# Altium PCB STEERING_WHEEL_SWITCHES_V2_CONTROLLER.PcbDoc (part 1 of 2) (continued)
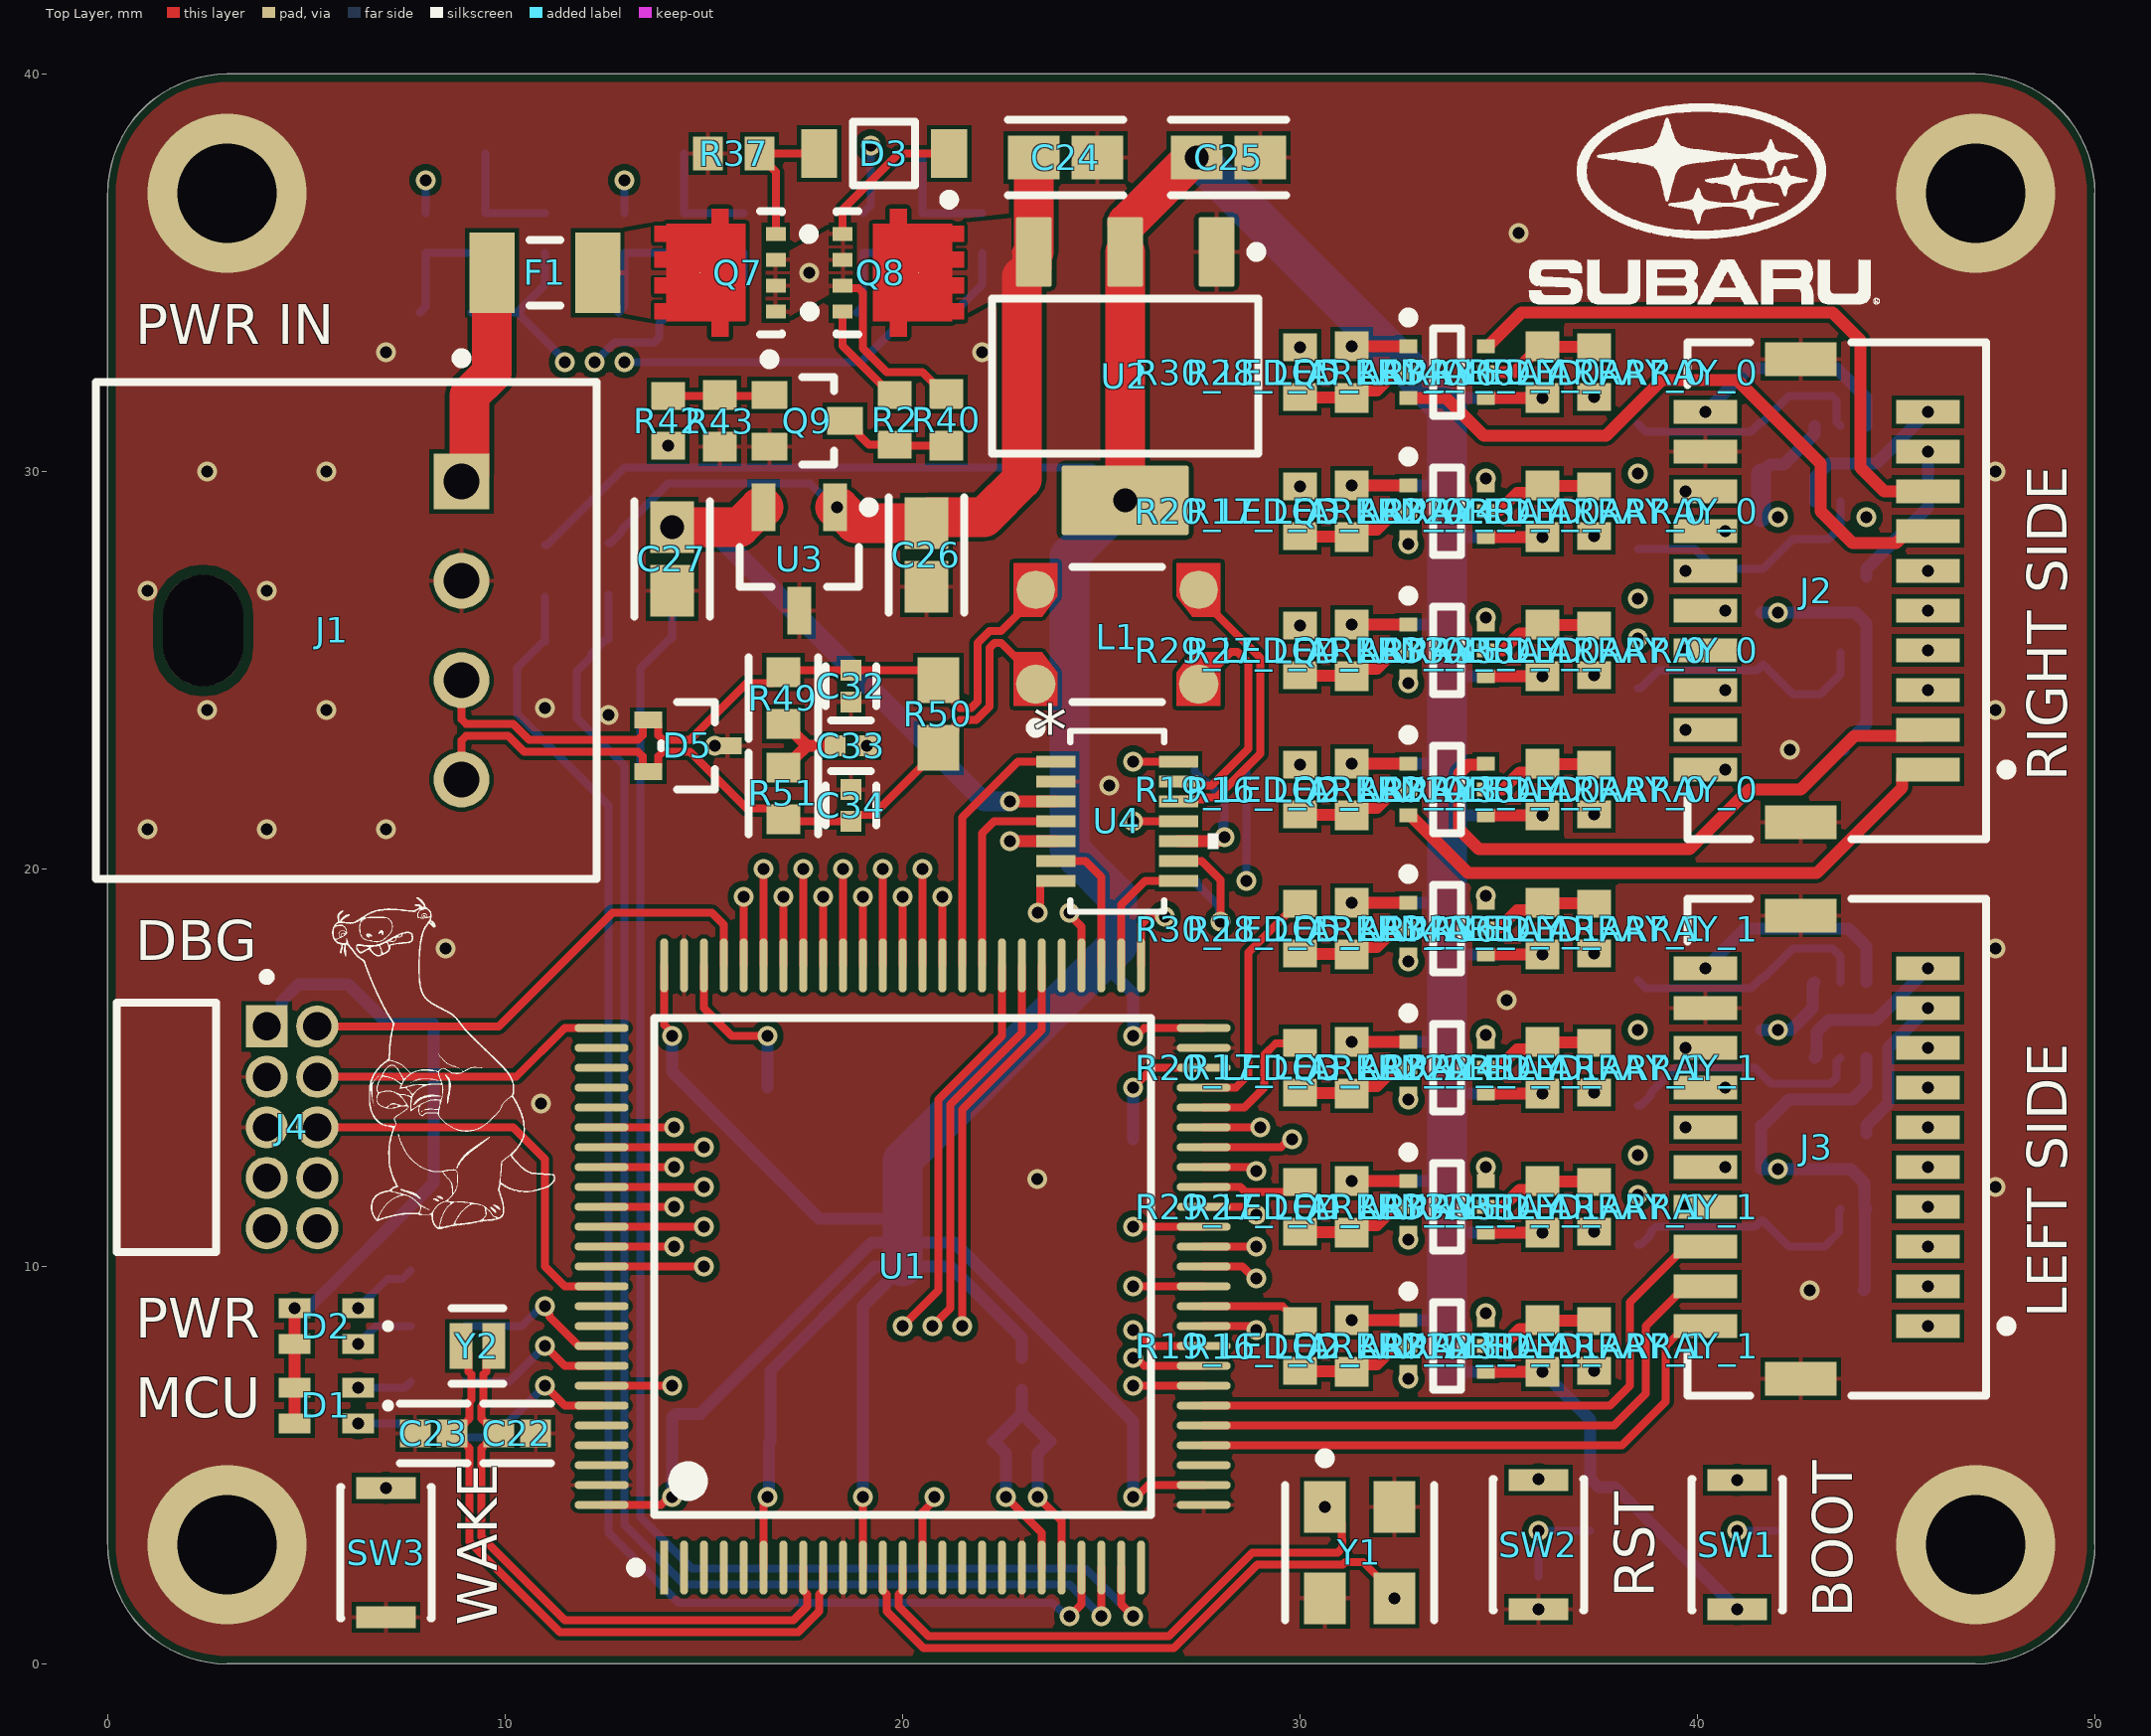
[diagram p0: Top Layer view]
## Design rules (kind name [scope] priority, off if disabled: settings)
BoardOutlineClearance [All] p1: gap=0.2 ignorepadtopadclearanceinfootprint=FALSE
Clearance [All] p1: gap=0.102 ignorepadtopadclearanceinfootprint=FALSE except(0.127: Arc-Via Track-Via SMDPad-Via THPad-Via Via-Via Via-Fill Via-Poly Via-Region Via-Text; 0.25: Arc-Hole Track-Hole SMDPad-Hole THPad-Hole Via-Hole Fill-Hole Poly-Hole Region-Hole Text-Hole)
ComponentClearance [All] p1: gap=0.102 collisioncheckmode=3 verticalgap=0.102 showdistances=TRUE
DiffPairsRouting [All] p1: maxlimit=0.102 minlimit=0.102 mostfreqgap=0.102 toplayer_minwidth=0.102 toplayer_maxwidth=1816.048 toplayer_prefwidth=0.102 midlayer1_minwidth=0.102 midlayer1_maxwidth=1816.048 midlayer1_prefwidth=0.102 midlayer2_minwidth=0.102 midlayer2_maxwidth=1816.048 midlayer2_prefwidth=0.102 bottomlayer_minwidth=0.102 bottomlayer_maxwidth=1816.048 bottomlayer_prefwidth=0.102 maxuncoupledlength=12.7
Height [All] p1: minheight=0 maxheight=1816.048 prefheight=12.7
HoleSize [All] p1: absolutevalues=TRUE maxlimit=6.3 minlimit=0.2 maxpercent=80.000 minpercent=20.000
HoleToHoleClearance [All] p1: gap=0.25 allowstackedmicrovias=FALSE
MinimumAnnularRing [All] p1: minimumring=0.076
MinimumSolderMaskSliver [All] p1: minsoldermaskwidth=0
PlaneClearance [All] p1: clearance=0.102
PlaneConnect PlaneConnectPowerPads [InPadClass('PowerPads')] p1: planeconnectstyle=Direct reliefexpansion=0.508 reliefentries=4 reliefconductorwidth=0.254 reliefairgap=0.254
PlaneConnect [All] p2: pad.planeconnectstyle=Relief pad.reliefexpansion=0.3 pad.reliefentries=4 pad.reliefconductorwidth=0.102 pad.reliefairgap=0.102 via.planeconnectstyle=Direct via.reliefexpansion=0.3 via.reliefentries=4 via.reliefconductorwidth=0.127 via.reliefairgap=0.127
PolygonConnect PolygonConnectPowerPads [All vs (InPadClass('PowerPads'))] p1: connectstyle=Direct reliefconductorwidth=0.254 reliefentries=4 polygonreliefangle="90 Angle" airgapwidth=0.254
PolygonConnect [All] p2: thpad.connectstyle=Relief thpad.reliefconductorwidth=0.102 thpad.reliefentries=4 thpad.polygonreliefangle="90 Angle" thpad.airgapwidth=0.102 smdpad.connectstyle=Relief smdpad.reliefconductorwidth=0.102 smdpad.reliefentries=4 smdpad.polygonreliefangle="90 Angle" smdpad.airgapwidth=0.102 via.connectstyle=Direct via.reliefconductorwidth=0.127 via.reliefentries=4 via.polygonreliefangle="90 Angle" via.airgapwidth=0.127
RoutingVias [All] p1: holewidth=0.2 width=0.45 viastyle="Through Hole" minholewidth=0.2 minwidth=0.45 maxholewidth=6.3 maxwidth=6.55
SilkToSilkClearance [All] p1: silktosilkclearance=0
SilkToSolderMaskClearance [IsPad] p1: minsilkscreentomaskgap=0.102 clearancetoexposedcopper=TRUE
SolderMaskExpansion [All] p1: expansion=0.075 istentingtop=FALSE
Width [All] p1: maxlimit=1816.048 minlimit=0.102 preferedwidth=0.102
20 further rules are at their usual default settings.

## Classes and differential pairs
channel class LED_ARRAY: LED_ARRAY_0 LED_ARRAY_1
net class 120DIFF: CAN_N CAN_P PRE_CAN_N PRE_CAN_P
component class STEERING_WHEEL_SWITCHES_V2_CONTROLLER: J1 J2 J3
component class PWR_MGMT_0: C24 C25 C26 C27 D3 F1 Q7 Q8 Q9 R2 R37 R38 R39 R40 R41 R42 R43 R44 R45 R46 U2 U3
component class MCU_0: C1 C2 C3 C4 C5 C6 C7 C8 C9 C10 C11 C12 C13 C14 C15 C16 C17 C18 C19 C20 C21 C22 C23 D1 D2 FB1 J4 R1 R3 R4 R5 R6 R7 R8 R9 R10 R11 R12 R13 R14 R52 R53 R54 R55 R56 R57 R58 R59 R60 R61 R62 R63 SW1 SW2 TP1 TP2 TP3 U1 Y1 Y2
component class LED_ARRAY_0: Q1_LED_ARRAY_0 Q2_LED_ARRAY_0 Q3_LED_ARRAY_0 Q4_LED_ARRAY_0 Q5_LED_ARRAY_0 Q6_LED_ARRAY_0 R1_LED_ARRAY_0 R15_LED_ARRAY_0 R16_LED_ARRAY_0 R17_LED_ARRAY_0 R18_LED_ARRAY_0 R19_LED_ARRAY_0 R20_LED_ARRAY_0 R21_LED_ARRAY_0 R22_LED_ARRAY_0 R23_LED_ARRAY_0 R24_LED_ARRAY_0 R25_LED_ARRAY_0 R26_LED_ARRAY_0 R27_LED_ARRAY_0 R28_LED_ARRAY_0 R29_LED_ARRAY_0 R30_LED_ARRAY_0 R31_LED_ARRAY_0 R32_LED_ARRAY_0 R33_LED_ARRAY_0 R34_LED_ARRAY_0 R35_LED_ARRAY_0 R36_LED_ARRAY_0
component class LED_ARRAY_1: Q1_LED_ARRAY_1 Q2_LED_ARRAY_1 Q3_LED_ARRAY_1 Q4_LED_ARRAY_1 Q5_LED_ARRAY_1 Q6_LED_ARRAY_1 R1_LED_ARRAY_1 R15_LED_ARRAY_1 R16_LED_ARRAY_1 R17_LED_ARRAY_1 R18_LED_ARRAY_1 R19_LED_ARRAY_1 R20_LED_ARRAY_1 R21_LED_ARRAY_1 R22_LED_ARRAY_1 R23_LED_ARRAY_1 R24_LED_ARRAY_1 R25_LED_ARRAY_1 R26_LED_ARRAY_1 R27_LED_ARRAY_1 R28_LED_ARRAY_1 R29_LED_ARRAY_1 R30_LED_ARRAY_1 R31_LED_ARRAY_1 R32_LED_ARRAY_1 R33_LED_ARRAY_1 R34_LED_ARRAY_1 R35_LED_ARRAY_1 R36_LED_ARRAY_1
component class CAN_IF_0: C28 C29 C30 C31 C32 C33 C34 D5 L1 R47 R48 R49 R50 R51 SW3 U4
differential pair CAN: +CAN_P -CAN_N
differential pair X: +X_P -X_N
differential pair X32: +X32_P -X32_N
differential pair PRE_CAN: +PRE_CAN_P -PRE_CAN_N

## Components (designator, comment, footprint, x,y, rotation, side; value= is the part's Value field where it differs from the comment)
C1 "C0402C104K8PACTU" FP-C0402-BB-MFG 20.8,3.8 r270 bottom value="0.10 μF"
C2 "C1005X5R1A475K050BC" FP-C1005-050-0_15-MFG 19.4,5.6 r0 bottom
C3 "GRM155R71C104KA88D" FP-GRM15-MFG 19.4,4.2 r180 bottom value=0.10μF
C4 "GRM155R71C104KA88D" FP-GRM15-MFG 25.4,4.2 r0 bottom value=0.10μF
C5 "GRM155R71C104KA88D" FP-GRM15-MFG 25.4,15.8 r0 bottom value=0.10μF
C6 "GRM155R71C104KA88D" FP-GRM15-MFG 14.6,15.8 r180 bottom value=0.10μF
C7 "GRM155R71C104KA88D" FP-GRM15-MFG 14.6,4.2 r180 bottom value=0.10μF
C8 "EMK105BJ105KV-F" FP-0402-L_1_0_0_05-W_0_5-IPC_A 21.8,5.6 r180 bottom
C9 "GRM155R71C104KA88D" FP-GRM15-MFG 22.2,4.2 r0 bottom value=0.10μF
C10 "C1005X7S1A225K050BC" FP-C1005-050-0_15-0_1-MFG 25.4,13.2 r0 bottom
C11 "GRM155R71C104KA88D" FP-GRM15-MFG 25.4,14.5 r0 bottom value=0.10μF
C12 "C1005X7S1A225K050BC" FP-C1005-050-0_15-0_1-MFG 16.2,14.5 r0 bottom
C13 "GRM155R71C104KA88D" FP-GRM15-MFG 16.2,15.8 r0 bottom value=0.10μF
C14 "EMK105BJ105KV-F" FP-0402-L_1_0_0_05-W_0_5-IPC_A 16.2,5.6 r180 bottom
C15 "GRM155R71C104KA88D" FP-GRM15-MFG 16.2,4.2 r0 bottom value=0.10μF
C16 "EMK105BJ105KV-F" FP-0402-L_1_0_0_05-W_0_5-IPC_A 24.2,5.6 r0 bottom
C17 "GRM155R71C104KA88D" FP-GRM15-MFG 23.8,4.2 r180 bottom value=0.10μF
C18 "08051A6R8CAT2A" FP-0805-L_2_01_0_2-W_1_25-MFG 31.375,1.65 r0 bottom
C19 "08051A6R8CAT2A" FP-0805-L_2_01_0_2-W_1_25-MFG 31.625,3.95 r180 bottom
C20 "C0402C104K8PACTU" FP-C0402-BB-MFG 14.2,6.6 r270 bottom value="0.10 μF"
C21 "C0402C104K8PACTU" FP-C0402-BB-MFG 36,1.8 r270 bottom value="0.10 μF"
C22 "04025A180FAT2A" FP-0402-L_1_0_1-W_0_5_0_1-IPC_A 10.3,5.8 r0 top
C23 "04025A180FAT2A" FP-0402-L_1_0_1-W_0_5_0_1-IPC_A 8.2,5.8 r180 top
C24 "GRM188R61E106KA73D" FP-GRM188-0_2-IPC_A 24.1,37.9 r0 top
C25 "GRM188R61E106KA73D" FP-GRM188-0_2-IPC_A 28.2,37.9 r0 top
C26 "GRM188R61E106KA73D" FP-GRM188-0_2-IPC_A 20.6,27.9 r270 top
C27 "GRM188R61E106KA73D" FP-GRM188-0_2-IPC_A 14.2,27.8 r270 top
C28 "C0402C104K8PACTU" FP-C0402-BB-MFG 22.7,22.1 r270 bottom value="0.10 μF"
C29 "C0402C104K8PACTU" FP-C0402-BB-MFG 22.7,20.3 r90 bottom value="0.10 μF"
C30 "C0402C104K8PACTU" FP-C0402-BB-MFG 27.7,21.1 r0 bottom value="0.10 μF"
C31 "C0402C104K8PACTU" FP-C0402-BB-MFG 7,4.025 r90 bottom value="0.10 μF"
C32 "C0402C104K8PACTU" FP-C0402-BB-MFG 18.7,24.6 r270 top value="0.10 μF"
C33 "C0402C104K8PACTU" FP-C0402-BB-MFG 18.7,23.1 r0 top value="0.10 μF"
C34 "C0402C104K8PACTU" FP-C0402-BB-MFG 18.7,21.6 r270 top value="0.10 μF"
D1 "150066RG54050" WL-SBCD_0606 5.5,6.5 r270 top
D2 "150066RG54050" WL-SBCD_0606 5.5,8.5 r270 top
D3 "MMSZ5242BT1G" ONSC-SOD-123-2-425-04_V 19.535,38 r180 top
D5 "ESDCAN02-2BWY" FP-SOT323-3L-MFG 14.6,23.1 r0 top value=3pF
F1 "0466001.NR" FP-0466-MFG 11,35 r0 top value=0.075Ω
FB1 "BLM15PX601SN1D" FP-BLM15-0_05-MFG 23,7.3 r270 bottom
J1 "S04B-XASK-1(LF)(SN)" FP-S04B-XASK-1_LF_SN-MFG 6,26 r270 top
J2 "501190-2017" FP-501190-2017-MFG 43,27 r90 top
J3 "501190-2017" FP-501190-2017-MFG 43,13 r90 top
J4 "FTSH-105-01-F-D-RA-K" FTSH-105-01-F-D-RA-K-Footprint-1 4,13.5 r90 top
L1 "SRF4532-510Y" FP-SRF4532-MFG 25.4,25.9 r0 top
Q1_LED_ARRAY_0 "SSM6N7002KFU,LF" FP-SSOP6-P-0_65A-MFG 43.6,30.2 r90 bottom (schematic designator Q1)
Q1_LED_ARRAY_1 "SSM6N7002KFU,LF" FP-SSOP6-P-0_65A-MFG 43.6,16.2 r90 bottom (schematic designator Q1)
Q2_LED_ARRAY_0 "BSS84AKS,115" NXP-SOT363_L 33.7,22 r0 top (schematic designator Q2)
Q2_LED_ARRAY_1 "BSS84AKS,115" NXP-SOT363_L 33.7,8 r0 top (schematic designator Q2)
Q3_LED_ARRAY_0 "BSS84AKS,115" NXP-SOT363_L 33.7,29 r0 top (schematic designator Q3)
Q3_LED_ARRAY_1 "BSS84AKS,115" NXP-SOT363_L 33.7,15 r0 top (schematic designator Q3)
Q4_LED_ARRAY_0 "BSS84AKS,115" NXP-SOT363_L 33.7,25.5 r0 top (schematic designator Q4)
Q4_LED_ARRAY_1 "BSS84AKS,115" NXP-SOT363_L 33.7,11.5 r0 top (schematic designator Q4)
Q5_LED_ARRAY_0 "BSS84AKS,115" NXP-SOT363_L 33.7,32.5 r0 top (schematic designator Q5)
Q5_LED_ARRAY_1 "BSS84AKS,115" NXP-SOT363_L 33.7,18.5 r0 top (schematic designator Q5)
Q6_LED_ARRAY_0 "SSM6N7002KFU,LF" FP-SSOP6-P-0_65A-MFG 43.6,26.4 r90 bottom (schematic designator Q6)
Q6_LED_ARRAY_1 "SSM6N7002KFU,LF" FP-SSOP6-P-0_65A-MFG 43.6,12.4 r90 bottom (schematic designator Q6)
Q7 "SISH615ADN-T1-GE3" SISH615ADN-T1-GE3-Footprint-1 15.41,34.963 r90 top
Q8 "SISH615ADN-T1-GE3" SISH615ADN-T1-GE3-Footprint-1 19.89,35.038 r270 top
Q9 "BSS138W-7-F" DIOD-SOT323-3_V 17.6,31.275 r0 top
R1_LED_ARRAY_0 "ERJ3EKF56R0V" RESC1608X55X30NL15T15 43,23 r180 bottom (schematic designator R1)
R1_LED_ARRAY_1 "ERJ3EKF56R0V" RESC1608X55X30NL15T15 43.5,9.4 r180 bottom (schematic designator R1)
R2 "ERJ-3EKF1001V" RESC1608X55X30LL15T15#1 19.8,31.3 r270 top
R3 "0402 JUMPER" RESC1005X40X25ML05T05 19,36 r90 bottom
R4 "0402 JUMPER" RESC1005X40X25ML05T05 20.5,36 r270 bottom
R5 "ERJ3EKF1002V" RESC1609X55X30LL15T15 7.1,15.45 r270 bottom
R6 "ERJ3EKF1002V" RESC1609X55X30LL15T15 19.5,34 r0 bottom
R7 "ERJ3EKF56R0V" RESC1608X55X30NL15T15 8.3,7.1 r180 bottom
R8 "ERJ3EKF56R0V" RESC1608X55X30NL15T15 8.3,5.7 r180 bottom
R9 "ERJ-3EKF3300V" RESC1608X55X30LL15T15#2 41,4 r90 bottom
R10 "ERJ-3EKF3300V" RESC1608X55X30LL15T15#2 36,4 r90 bottom
R11 "ERJ3EKF56R0V" RESC1608X55X30NL15T15 8.3,9.9 r180 bottom
R12 "ERJ3EKF1002V" RESC1609X55X30LL15T15 42.85,3.4 r180 bottom
R13 "ERJ3EKF1002V" RESC1609X55X30LL15T15 37.3,4 r270 bottom
R14 "ERJ3EKF56R0V" RESC1608X55X30NL15T15 8.3,8.5 r180 bottom
R15_LED_ARRAY_0 "ERJ-3EKF1001V" RESC1608X55X30LL15T15#1 38.5,27.425 r90 bottom (schematic designator R15)
R15_LED_ARRAY_1 "ERJ-3EKF1001V" RESC1608X55X30LL15T15#1 38.5,13.425 r90 bottom (schematic designator R15)
R16_LED_ARRAY_0 "ERJ3EKF1002V" RESC1609X55X30LL15T15 31.3,22 r90 top (schematic designator R16)
R16_LED_ARRAY_1 "ERJ3EKF1002V" RESC1609X55X30LL15T15 31.3,8 r90 top (schematic designator R16)
R17_LED_ARRAY_0 "ERJ3EKF1002V" RESC1609X55X30LL15T15 31.3,29 r90 top (schematic designator R17)
R17_LED_ARRAY_1 "ERJ3EKF1002V" RESC1609X55X30LL15T15 31.3,15 r90 top (schematic designator R17)
R18_LED_ARRAY_0 "ERJ3EKF1002V" RESC1609X55X30LL15T15 41.6,28.2 r270 bottom (schematic designator R18)
R18_LED_ARRAY_1 "ERJ3EKF1002V" RESC1609X55X30LL15T15 41.6,14.2 r90 bottom (schematic designator R18)
R19_LED_ARRAY_0 "ERJ-3EKF1001V" RESC1608X55X30LL15T15#1 30,22 r90 top (schematic designator R19)
R19_LED_ARRAY_1 "ERJ-3EKF1001V" RESC1608X55X30LL15T15#1 30,8 r90 top (schematic designator R19)
R20_LED_ARRAY_0 "ERJ-3EKF1001V" RESC1608X55X30LL15T15#1 30,29 r90 top (schematic designator R20)
R20_LED_ARRAY_1 "ERJ-3EKF1001V" RESC1608X55X30LL15T15#1 30,15 r90 top (schematic designator R20)
R21_LED_ARRAY_0 "ERJ3EKF1002V" RESC1609X55X30LL15T15 36.1,22 r270 top (schematic designator R21)
R21_LED_ARRAY_1 "ERJ3EKF1002V" RESC1609X55X30LL15T15 36.1,8 r270 top (schematic designator R21)
R22_LED_ARRAY_0 "ERJ3EKF1002V" RESC1609X55X30LL15T15 36.1,29 r270 top (schematic designator R22)
R22_LED_ARRAY_1 "ERJ3EKF1002V" RESC1609X55X30LL15T15 36.1,15 r270 top (schematic designator R22)
R23_LED_ARRAY_0 "ERJ-3EKF1001V" RESC1608X55X30LL15T15#1 37.4,22 r270 top (schematic designator R23)
R23_LED_ARRAY_1 "ERJ-3EKF1001V" RESC1608X55X30LL15T15#1 37.4,8 r270 top (schematic designator R23)
R24_LED_ARRAY_0 "ERJ-3EKF1001V" RESC1608X55X30LL15T15#1 37.4,29 r270 top (schematic designator R24)
R24_LED_ARRAY_1 "ERJ-3EKF1001V" RESC1608X55X30LL15T15#1 37.4,15 r270 top (schematic designator R24)
R25_LED_ARRAY_0 "ERJ-3EKF1001V" RESC1608X55X30LL15T15#1 38.5,30.575 r90 bottom (schematic designator R25)
R25_LED_ARRAY_1 "ERJ-3EKF1001V" RESC1608X55X30LL15T15#1 38.5,16.575 r90 bottom (schematic designator R25)
R26_LED_ARRAY_0 "ERJ3EKF1002V" RESC1609X55X30LL15T15 41.6,30.6 r90 bottom (schematic designator R26)
R26_LED_ARRAY_1 "ERJ3EKF1002V" RESC1609X55X30LL15T15 41.6,16.6 r90 bottom (schematic designator R26)
R27_LED_ARRAY_0 "ERJ3EKF1002V" RESC1609X55X30LL15T15 31.3,25.5 r90 top (schematic designator R27)
R27_LED_ARRAY_1 "ERJ3EKF1002V" RESC1609X55X30LL15T15 31.3,11.5 r90 top (schematic designator R27)
R28_LED_ARRAY_0 "ERJ3EKF1002V" RESC1609X55X30LL15T15 31.3,32.5 r90 top (schematic designator R28)
R28_LED_ARRAY_1 "ERJ3EKF1002V" RESC1609X55X30LL15T15 31.3,18.5 r90 top (schematic designator R28)
R29_LED_ARRAY_0 "ERJ-3EKF1001V" RESC1608X55X30LL15T15#1 30,25.5 r90 top (schematic designator R29)
R29_LED_ARRAY_1 "ERJ-3EKF1001V" RESC1608X55X30LL15T15#1 30,11.5 r90 top (schematic designator R29)
R30_LED_ARRAY_0 "ERJ-3EKF1001V" RESC1608X55X30LL15T15#1 30,32.5 r90 top (schematic designator R30)
R30_LED_ARRAY_1 "ERJ-3EKF1001V" RESC1608X55X30LL15T15#1 30,18.5 r90 top (schematic designator R30)
R31_LED_ARRAY_0 "ERJ-3EKF1001V" RESC1608X55X30LL15T15#1 38.5,25.175 r270 bottom (schematic designator R31)
R31_LED_ARRAY_1 "ERJ-3EKF1001V" RESC1608X55X30LL15T15#1 38.5,11.175 r270 bottom (schematic designator R31)
R32_LED_ARRAY_0 "ERJ3EKF1002V" RESC1609X55X30LL15T15 41.6,25.8 r270 bottom (schematic designator R32)
R32_LED_ARRAY_1 "ERJ3EKF1002V" RESC1609X55X30LL15T15 41.6,11.8 r270 bottom (schematic designator R32)
R33_LED_ARRAY_0 "ERJ3EKF1002V" RESC1609X55X30LL15T15 36.1,25.5 r270 top (schematic designator R33)
R33_LED_ARRAY_1 "ERJ3EKF1002V" RESC1609X55X30LL15T15 36.1,11.5 r270 top (schematic designator R33)
R34_LED_ARRAY_0 "ERJ3EKF1002V" RESC1609X55X30LL15T15 36.1,32.5 r270 top (schematic designator R34)
R34_LED_ARRAY_1 "ERJ3EKF1002V" RESC1609X55X30LL15T15 36.1,18.5 r270 top (schematic designator R34)
R35_LED_ARRAY_0 "ERJ-3EKF1001V" RESC1608X55X30LL15T15#1 37.4,25.5 r270 top (schematic designator R35)
R35_LED_ARRAY_1 "ERJ-3EKF1001V" RESC1608X55X30LL15T15#1 37.4,11.5 r270 top (schematic designator R35)
R36_LED_ARRAY_0 "ERJ-3EKF1001V" RESC1608X55X30LL15T15#1 37.4,32.5 r270 top (schematic designator R36)
R36_LED_ARRAY_1 "ERJ-3EKF1001V" RESC1608X55X30LL15T15#1 37.4,18.5 r270 top (schematic designator R36)
R37 "ERJ3EKF1002V" RESC1609X55X30LL15T15 15.75,38 r180 top
R38 "ERJ3EKF1002V" RESC1609X55X30LL15T15 11,27.5 r90 bottom
R39 "ERJ3EKF1002V" RESC1609X55X30LL15T15 11.015,25.075 r90 bottom
R40 "ERJ3EKF1002V" RESC1609X55X30LL15T15 21.1,31.3 r90 top
R41 "ERJ3EKF1002V" RESC1609X55X30LL15T15 14.2,27.55 r90 bottom
R42 "ERJ-3EKF1001V" RESC1608X55X30LL15T15#1 14.1,31.275 r270 top
R43 "ERJ3EKF1002V" RESC1609X55X30LL15T15 15.4,31.275 r90 top
R44 "ERJ3EKF1002V" RESC1609X55X30LL15T15 14.2,25.15 r270 bottom
R45 "ERJ3EKF1002V" RESC1609X55X30LL15T15 12.6,27.55 r90 bottom
R46 "ERJ-3EKF2001V" RESC1608X55X30ML15T15 12.6,25.05 r90 bottom
R47 "ERJ3EKF1002V" RESC1609X55X30LL15T15 28,22.5 r0 bottom
R48 "ERJ-3EKF1001V" RESC1608X55X30LL15T15#1 28.025,19.7 r0 bottom
R49 "ERJ-3EKF60R4V" FP-ERJ3EK-IPC_C 17,24.3 r270 top
R50 "ERJ-3EKF1200V" RESC1609X55X30ML15T15 20.9,23.9 r270 top
R51 "ERJ-3EKF60R4V" FP-ERJ3EK-IPC_C 17,21.9 r270 top
R52 "0402 JUMPER" RESC1005X40X25ML05T05 22,36 r270 bottom
R53 "ERJ-3EKF1001V" RESC1608X55X30LL15T15#1 22,34 r180 bottom
R54 "0402 JUMPER" RESC1005X40X25ML05T05 13,36 r90 bottom
R55 "0402 JUMPER" RESC1005X40X25ML05T05 14.5,36 r270 bottom
R56 "ERJ3EKF1002V" RESC1609X55X30LL15T15 13.5,34 r0 bottom
R57 "0402 JUMPER" RESC1005X40X25ML05T05 16,36 r270 bottom
R58 "ERJ-3EKF1001V" RESC1608X55X30LL15T15#1 16,34 r180 bottom
R59 "0402 JUMPER" RESC1005X40X25ML05T05 8,36 r90 bottom
R60 "0402 JUMPER" RESC1005X40X25ML05T05 9.5,36 r270 bottom
R61 "ERJ3EKF1002V" RESC1609X55X30LL15T15 8.5,34 r0 bottom
R62 "0402 JUMPER" RESC1005X40X25ML05T05 11,36 r270 bottom
R63 "ERJ-3EKF1001V" RESC1608X55X30LL15T15#1 11,34 r180 bottom
SW1 "KXT331LHS" FP-KXT331LHS-MFG 41,3 r270 top
SW2 "KXT331LHS" FP-KXT331LHS-MFG 36,3 r270 top
SW3 "KXT331LHS" FP-KXT331LHS-MFG 7,2.8 r90 top
TP1 "Test Point" TP-SMT-1mm 20.5,38 r90 bottom
TP2 "Test Point" TP-SMT-1mm 14.5,38 r90 bottom
TP3 "Test Point" TP-SMT-1mm 9.5,38 r90 bottom
U1 "STM32H730VBT6" FP-LQFP100-1L-IPC_C 20,10 r90 top
U2 "TLV1117LV33DCYR" DCY0004A_N 25.6,32.4 r270 top
U3 "AP7375-50SA-7" AP7375-50SA-7-Footprint-1 17.4,27.8 r270 top
U4 "TCAN1146DYYRQ1" TCAN1146DYYRQ1-Footprint-1 25.4,21.2 r0 top
Y1 "ABM8-48.000MHZ-B2-T" FP-ABM8-MFG 31.5,2.8 r270 top
Y2 "ECS-.327-12.5-1210-TR" FP-ECX-1210-MFG 9.3,8 r180 top

## Footprints (in the part's own frame and the unit in brackets; to place one, negate y for a bottom-side part, rotate by r counter-clockwise, add the part's x,y. Pads: shape width x height; smd on the part's side, far side on the other; paste and mask are expansions set on the pad)
AP7375-50SA-7-Footprint-1 [mm]
  rect 1.2x0.6 smd: 1(-1.3,0.9) 2(-1.3,-0.9) 3(1.3,0)
  silkscreen extent -1.42,-1.5 0.7,1.88, body extent -0.7,-1.5 0.7,1.5, height 1.1
DCY0004A_N [mm] "SOT223, 4-Leads, Body 6.7x3.7mm, Pitch 2.3mm, IPC Medium Density"
  rrect11% 1.75x0.9 smd: 1(-3.125,2.3) 2(-3.125,0) 3(-3.125,-2.3)
  rrect6% 1.75x3.2 smd: 4(3.125,0)
  silkscreen extent -3.25,-3.35 1.95,3.43, body extent -3.5,-3.25 3.5,3.25, height 1.62
DIOD-SOT323-3_V [mm] "SOT323, 3-Leads, Body 2.2x1.35mm, Pitch 0.65mm"
  rect 0.9x0.7 smd: 1(-0.95,0.65) 2(-0.95,-0.65) 3(0.95,0)
  silkscreen extent -1.07,-1.1 0.67,1.67, body extent -1.1,-1.1 1.1,1.1, height 1.07
FP-0402-L_1_0_0_05-W_0_5-IPC_A [mm]
  rect 0.715x0.672 smd paste+0 mask+0: 1(-0.479,0) 2(0.479,0)
  silkscreen extent -0.84,-0.74 0.84,0.74, body extent -0.5,-0.25 0.5,0.25, height 0.55
FP-0402-L_1_0_1-W_0_5_0_1-IPC_A [mm]
  rect 0.781x0.712 smd paste+0 mask+0: 1(-0.466,0) 2(0.466,0)
  silkscreen extent -0.86,-0.76 0.86,0.76, body extent -1.06,-0.56 1.06,0.56, height 0.25
FP-0466-MFG [mil]
  rect 45x80 smd paste+0 mask+0: 1(-52.5,0) 2(52.5,0)
  silkscreen extent -15,-32 15,32, body extent -79,-44 79,44, height 10
FP-0805-L_2_01_0_2-W_1_25-MFG [mm]
  rect 1x1.25 smd paste+0 mask+0: 1(-1,0) 2(1,0)
  silkscreen extent -0.13,-0.72 0.13,0.72, body extent -1,-0.63 1,0.63, height 0.94
FP-501190-2017-MFG [mm]
  rect 0.6x1.6 smd paste+0 mask+0: 1(-4.5,-2.8) 2(-4.5,2.8) 3(-3.5,-2.8) 4(-3.5,2.8) 5(-2.5,-2.8) 6(-2.5,2.8) 7(-1.5,-2.8) 8(-1.5,2.8) 9(-0.5,-2.8) 10(-0.5,2.8) 11(0.5,-2.8) 12(0.5,2.8) 13(1.5,-2.8) 14(1.5,2.8) 15(2.5,-2.8) 16(2.5,2.8) 17(3.5,-2.8) 18(3.5,2.8) 19(4.5,-2.8) 20(4.5,2.8)